# Altium PCB GPS_DEMO_PCB.PcbDoc
Units mm, origin at the board's own origin, x right, y up, seen from the top; angles counter-clockwise.
Board outline 78.13 x 63.13 mm, 2 copper layers (Top Layer, Bottom Layer); 65 components, 42 nets, 210 pads, 20 vias.
Unrouted connection lines stored in the file: 5.
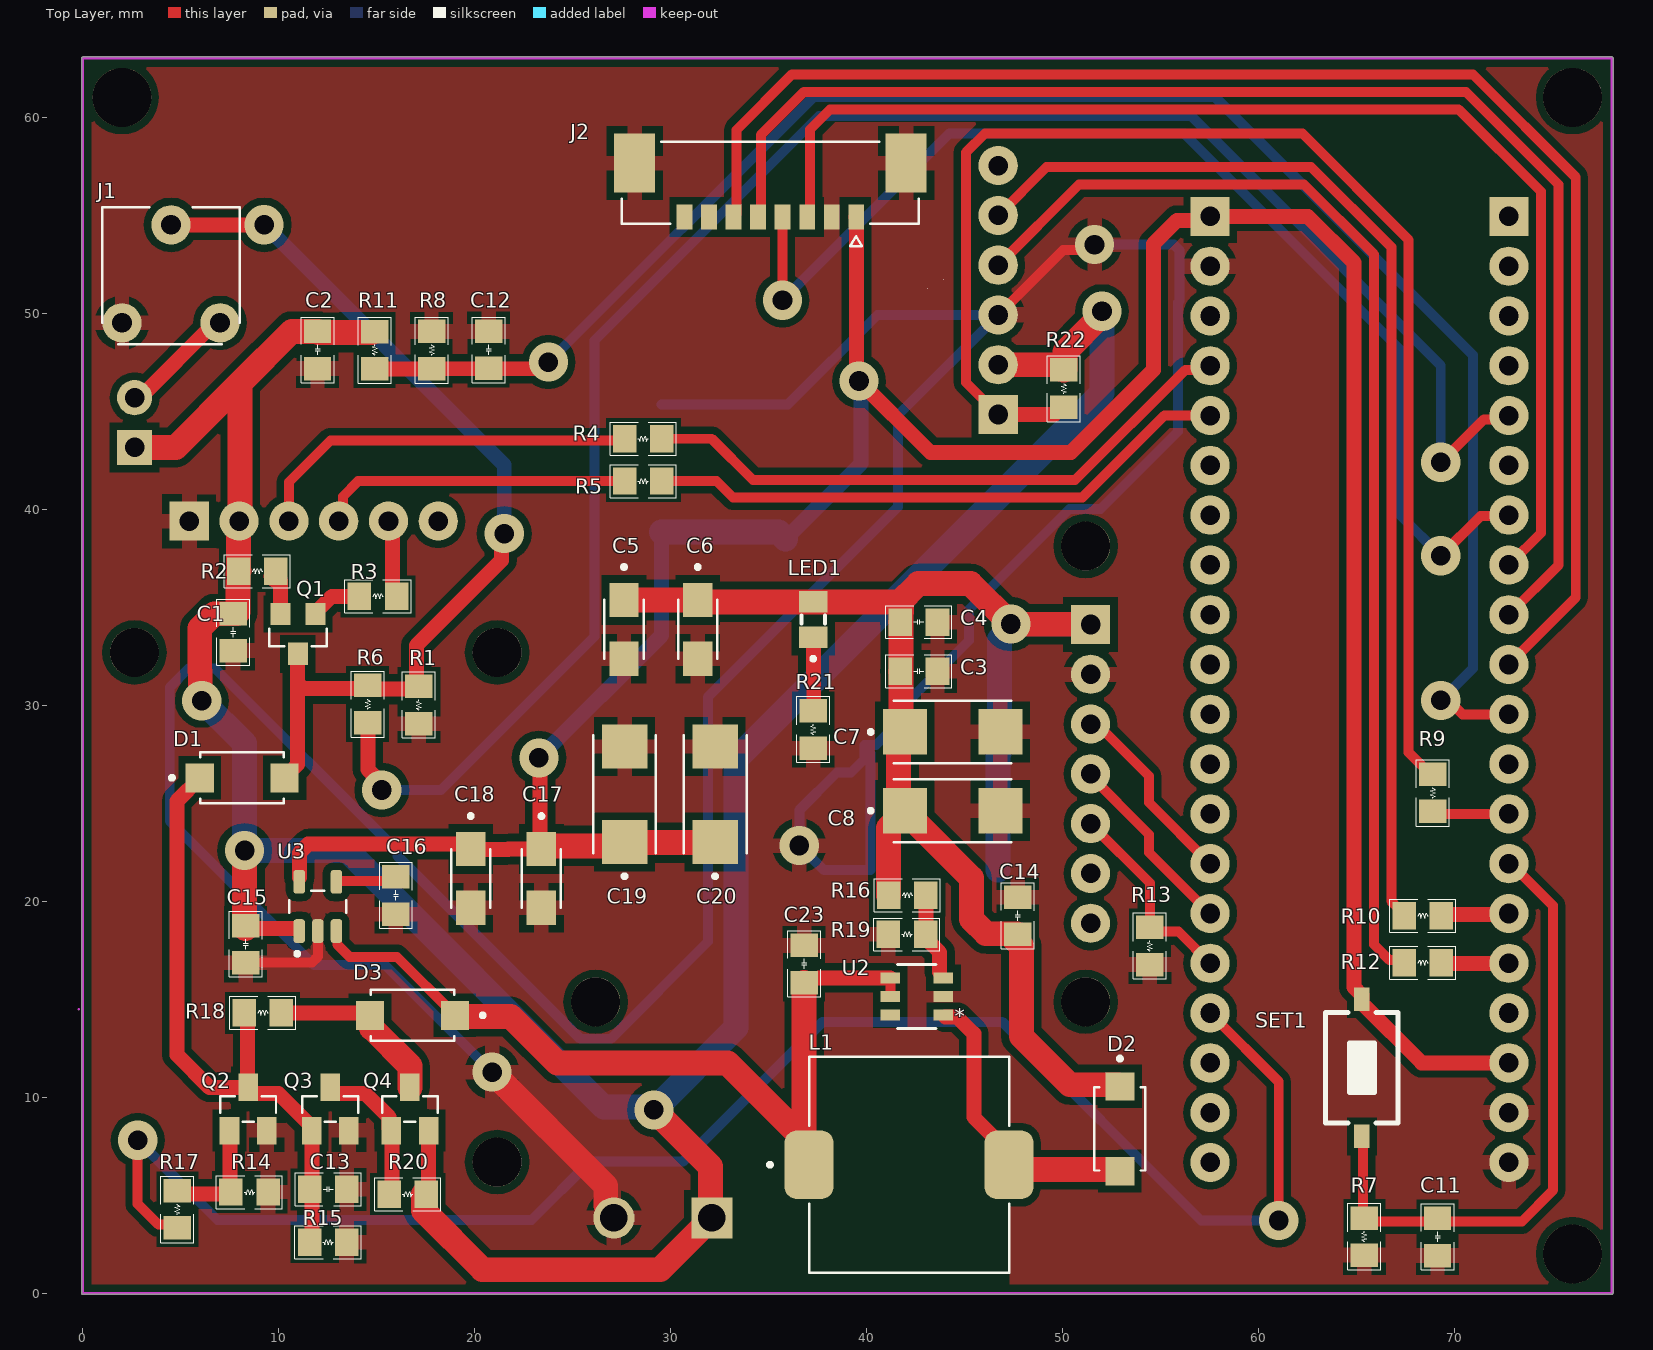
[diagram p0: Top Layer view]
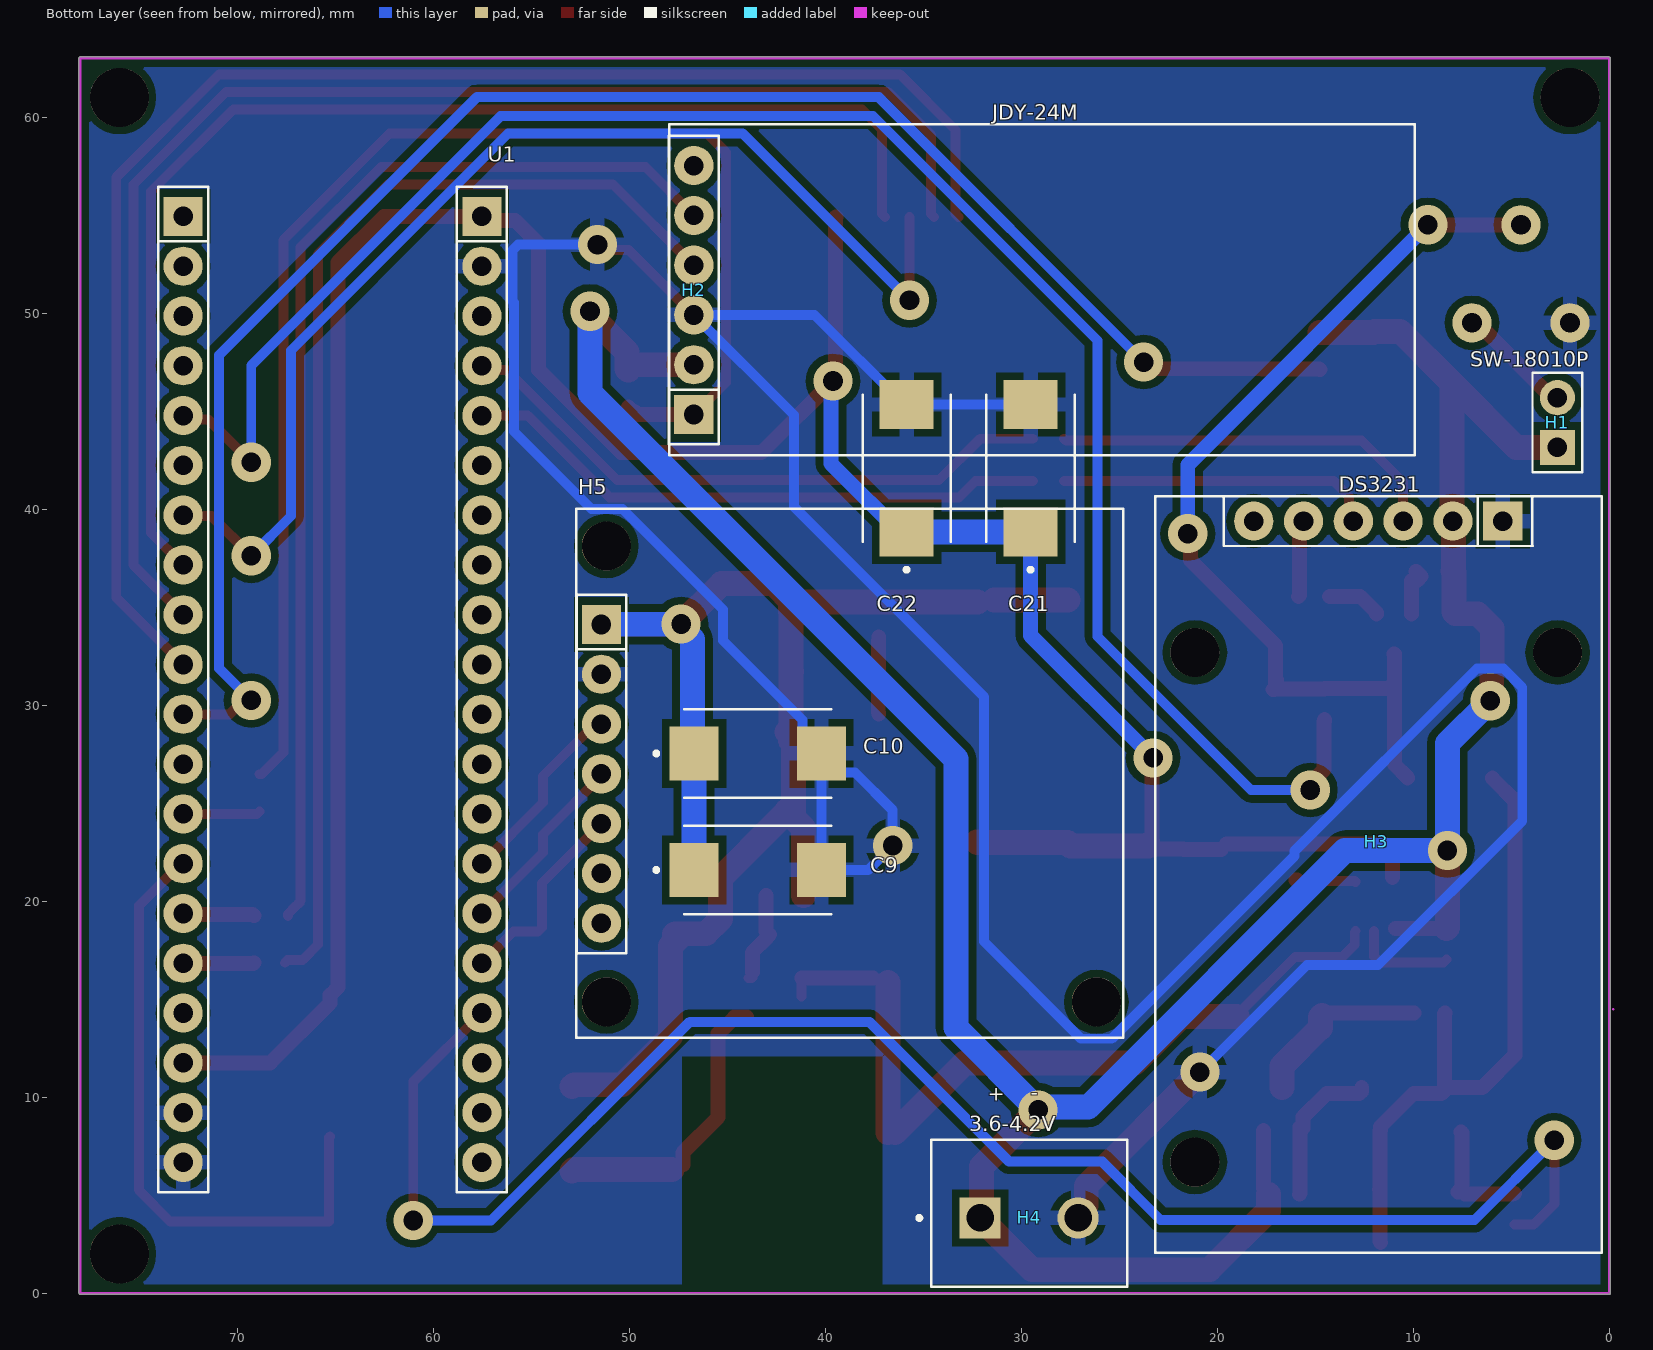
[diagram p1: Bottom Layer view, seen from below]

## Layer stack, top to bottom
Top Solder: solder mask 0.0102, Solder Resist, Dk 3.5
Top Layer: signal copper 0.0356
Dielectric 1: dielectric 0.32, FR-4, Dk 4.8
Bottom Layer: signal copper 0.0356
Bottom Solder: solder mask 0.0102, Solder Resist, Dk 3.5

## Board outline
-0.064,0 ccw(c0,0) 0,-0.064 78,-0.064 ccw(c78,0) 78.064,0 78.064,63 ccw(c78,63) 78,63.064 0,63.064 ccw(c0,63) -0.064,63

## Design rules (kind name [scope] priority, off if disabled: settings)
BoardOutlineClearance [All] p1: gap=0.2 ignorepadtopadclearanceinfootprint=FALSE
Clearance [All] p1: gap=0.381 ignorepadtopadclearanceinfootprint=FALSE except(0.25: Arc-Hole Track-Hole SMDPad-Hole THPad-Hole Via-Hole Fill-Hole Poly-Hole Region-Hole Text-Hole)
ComponentClearance [All] p1: gap=0.127 collisioncheckmode=3 verticalgap=0.127 showdistances=TRUE
DiffPairsRouting [All] p1: maxlimit=0.254 minlimit=0.127 mostfreqgap=0.127 toplayer_minwidth=0.127 toplayer_maxwidth=25.4 toplayer_prefwidth=0.127 bottomlayer_minwidth=0.127 bottomlayer_maxwidth=25.4 bottomlayer_prefwidth=0.127 maxuncoupledlength=12.7
Height [All] p1: minheight=0 maxheight=1816.048 prefheight=12.7
HoleSize [All] p1: absolutevalues=TRUE maxlimit=6.3 minlimit=0.3 maxpercent=80.000 minpercent=20.000
HoleToHoleClearance [All] p1: gap=0.25 allowstackedmicrovias=FALSE
MinimumAnnularRing [All] p1: minimumring=0.076
MinimumSolderMaskSliver [All] p1: minsoldermaskwidth=0
PlaneClearance [All] p1: clearance=0.127
PlaneConnect PlaneConnectPowerPads [InPadClass('PowerPads')] p1: planeconnectstyle=Relief reliefexpansion=0.508 reliefentries=4 reliefconductorwidth=0.254 reliefairgap=0.254
PlaneConnect [All] p2: planeconnectstyle=Relief reliefexpansion=0.3 reliefentries=4 reliefconductorwidth=0.381 reliefairgap=0.127
PolygonConnect PolygonConnectPowerPads [All vs (InPadClass('PowerPads'))] p1: thpad.connectstyle=Direct thpad.reliefconductorwidth=0.254 thpad.reliefentries=4 thpad.polygonreliefangle="90 Angle" thpad.airgapwidth=0.254 smdpad.connectstyle=Direct smdpad.reliefconductorwidth=0.254 smdpad.reliefentries=4 smdpad.polygonreliefangle="90 Angle" smdpad.airgapwidth=0.254 via.connectstyle=Relief via.reliefconductorwidth=0.254 via.reliefentries=4 via.polygonreliefangle="90 Angle" via.airgapwidth=0.254
PolygonConnect [All] p2: thpad.connectstyle=Relief thpad.reliefconductorwidth=0.762 thpad.reliefentries=4 thpad.polygonreliefangle="90 Angle" thpad.airgapwidth=0.381 smdpad.connectstyle=Relief smdpad.reliefconductorwidth=0.762 smdpad.reliefentries=4 smdpad.polygonreliefangle="90 Angle" smdpad.airgapwidth=0.381 via.connectstyle=Direct via.reliefconductorwidth=0.762 via.reliefentries=4 via.polygonreliefangle="90 Angle" via.airgapwidth=0.381
RoutingVias [All] p1: holewidth=1 width=2 viastyle="Through Hole" minholewidth=1 minwidth=2 maxholewidth=1 maxwidth=2
SilkToSilkClearance [All] p1: silktosilkclearance=0
SilkToSolderMaskClearance [IsPad] p1: minsilkscreentomaskgap=0.025 clearancetoexposedcopper=TRUE
SolderMaskExpansion SolderMaskExpansion_Via [IsVia] p1: expansion=0.102 istentingtop=TRUE
SolderMaskExpansion [All] p2: expansion=0.075 istentingtop=FALSE
Width [All] p1: maxlimit=1.27 minlimit=0.508 preferedwidth=0.762
20 further rules are at their usual default settings.

## Components (designator, comment, footprint, x,y, rotation, side; value= is the part's Value field where it differs from the comment)
C1 "100nF" 0805_Cap 7.683,33.721 r270 top
C2 "100nF" 0805_Cap 11.976,48.121 r270 top
C3 "100nF" 0805_Cap 42.647,31.725 r0 top
C4 "10uF" 0805_Cap 42.647,34.239 r0 top
C5 "OPT" 1206_Tantalum 27.61,33.863 r270 top
C6 "OPT" 1206_Tantalum 31.369,33.863 r270 top
C7 "OPT" 2312_Tantalum 44.374,28.632 r0 top
C8 "OPT" 2312_Tantalum 44.374,24.613 r0 top
C9 "100uF" "2917 _Tantalum" 43.434,21.59 r180 bottom
C10 "100uF" "2917 _Tantalum" 43.434,27.534 r180 bottom
C11 "10uF" 0805_Cap 69.113,2.873 r270 top
C12 "100nF" 0805_Cap 20.701,48.121 r90 top
C13 "10uF" 0805_Cap 12.521,5.295 r0 top
C14 "22uF" 0805_Cap 47.701,19.253 r270 top
C15 "10uF" 0805_Cap 8.306,17.805 r270 top
C16 "22uF" 0805_Cap 15.977,20.295 r270 top
C17 "OPT" 1206_Tantalum 23.393,21.158 r270 top
C18 "OPT" 1206_Tantalum 19.787,21.158 r270 top
C19 "OPT" 2312_Tantalum 27.637,25.451 r90 top
C20 "OPT" 2312_Tantalum 32.258,25.451 r90 top
C21 "100uF" "2917 _Tantalum" 29.516,42.085 r90 bottom
C22 "100uF" "2917 _Tantalum" 35.841,42.085 r90 bottom
C23 "22uF" 0805_Cap 36.801,16.799 r270 top
D1 "SS34" SODFL5226X100N 8.128,26.289 r0 top
D2 "SS34" SODFL5226X100N 52.908,8.382 r270 top
D3 "SS34" SODFL5226X100N 16.815,14.173 r180 top
H1 "SW-18010P" "JP 1x2" 2.642,43.145 r90 bottom
H2 "JDY-24M" "Module JDY-24M" 46.697,44.822 r90 bottom
H3 "DS3231" "Module DS3231" 5.433,39.386 r0 bottom
H4 "3.6-4.2V" KF301-2P 29.591,3.835 r180 bottom
H5 "A7680C" "Module A7680C" 51.41,34.112 r270 bottom
J1 "10K" RM065 4.5,52 r0 top
J2 "533980871" MOLEX_533980871 35.074,56.65 r0 top
L1 "22uH" "INDUCTOR CDRH104" 42.051,6.549 r0 top
LED1 "LED" 0805_LED 37.262,34.366 r90 top
Q1 "S8550" SOT-23 10.973,33.63 r180 top
Q2 "S8050" SOT23 8.433,9.396 r0 top
Q3 "S8050" SOT23 12.624,9.396 r0 top
Q4 "AO3401" SOT23 16.688,9.396 r0 top
R1 "10K" 0805_Res 17.145,29.997 r90 top
R2 "1K" 0805_Res 8.89,36.83 r0 top
R3 "100K" 0805_Res 15.051,35.549 r0 top
R4 "150" 0805_Res 28.6,43.586 r180 top
R5 "150" 0805_Res 28.6,41.427 r180 top
R6 "1K" 0805_Res 14.529,30.055 r270 top
R7 "10K" 0805_Res 65.38,2.873 r90 top
R8 "33K" 0805_Res 17.793,48.121 r270 top
R9 "10K" 0805_Res 68.859,25.527 r270 top
R10 "1K" 0805_Res 68.349,19.253 r0 top
R11 "8.2K" 0805_Res 14.885,48.096 r90 top
R12 "OPT" 0805_Res 68.349,16.855 r0 top
R13 "10K" 0805_Res 54.432,17.704 r90 top
R14 "100K" 0805_Res 8.509,5.156 r180 top
R15 "100K" 0805_Res 12.521,2.591 r180 top
R16 "2.2K" 0805_Res 42.051,20.299 r0 top
R17 "150" 0805_Res 4.826,4.283 r270 top
R18 "100K" 0805_Res 9.169,14.3 r0 top
R19 "300" 0805_Res 42.051,18.299 r180 top
R20 "10K" 0805_Res 16.585,5.045 r180 top
R21 "10K" 0805_Res 37.262,28.753 r90 top
R22 "OPT" 0805_Res 50.038,46.152 r270 top
SET1 "Button 2p" "Button 2p 3x6x2.5" 65.25,11.5 r90 top
U1 "STM32F1C8T6" "Module STM32F1C8T6 BLUEPILL" 57.51,54.93 r0 bottom
U2 "MT3608" TSOT23-6SOT23-6_AER 42.545,15.132 r180 top
U3 "SPX3819" SOT95P280X145-5N 11.989,19.726 r90 top

## Footprints (in the part's own frame and the unit in brackets; to place one, negate y for a bottom-side part, rotate by r counter-clockwise, add the part's x,y. Pads: shape width x height; smd on the part's side, far side on the other; paste and mask are expansions set on the pad)
0805_Cap [mm] "0805 SMD Ceramic Capacitor"
  rect 1.2x1.4 smd: 1(-0.946,-0.003) 2(0.954,-0.003)
  silkscreen extent -1.68,-0.84 1.68,0.84, body extent -1.01,-0.64 1.01,0.63, height 0.61
0805_LED [mm]
  rect 1.1x1.45 smd: A(0.9,0) C(-0.9,0)
  silkscreen extent -2.1,-0.6 0.2,0.6, body extent -1,-0.65 1,0.65, height 0.9
0805_Res [mm]
  rect 1.2x1.4 smd: 1(-0.946,-0.003) 2(0.954,-0.003)
  silkscreen extent -1.68,-0.84 1.7,0.84, body extent -1.01,-0.64 1.01,0.63, height 0.61
1206_Tantalum [mm]
  rect 1.75x1.5 smd: 1(-1.5,0) 2(1.5,0)
  silkscreen extent -3.28,-1 1.5,1, body extent -1.6,-0.8 1.6,0.8, height 1.8
2312_Tantalum [mm]
  rect 2.24x2.32 smd: 1(-2.435,0) 2(2.435,0)
  silkscreen extent -4.28,-1.6 3,1.6, body extent -3,-1.6 3,1.6, height 2.8
"2917 _Tantalum" [mm]
  rect 2.5x2.75 smd: 1(-3.25,0) 2(3.25,0)
  silkscreen extent -5.28,-2.25 3.75,2.25, body extent -3.65,-2.15 3.65,2.15, height 3.1
"Button 2p 3x6x2.5" [mm] "Switch SMD type"
  rect 1.2x0.8 smd: 1(-3.5,0) 2(3.5,0)
  silkscreen extent -2.82,-1.85 2.82,1.85, body extent -3.05,-1.85 3.05,1.85, height 2.5
"INDUCTOR CDRH104" [mm] "CDRH104 Cu?n C?m Dan SMD 1038-220 22uH 3.6A"
  rrect50% 2.5x3.5 smd: 1(-5,0) 2(5.2,0)
  silkscreen extent -7.1,-5.5 5.21,5.5
"JP 1x2" [mm]
  rect 1.8x1.8 hole 1: 1(0,0)
  round 1.8 hole 1: 2(2.54,0)
  silkscreen extent -1.27,-1.27 3.81,1.27, body extent -1.27,-1.27 3.81,1.27, height 8.54
KF301-2P [mm]
  rect 2.1x2.1 hole 1.4: 1(-2.5,0)
  round 2.1 hole 1.4: 2(2.5,0)
  silkscreen extent -5.7,-3.5 5,4
"Module A7680C" [mm] "Footprint for A7680C"
  rect 2x2 hole 1: 1(0,0)
  round 2 hole 1: 2(2.54,0) 3(5.08,0) 4(7.62,0) 5(10.16,0) 6(12.7,0) 7(15.24,0)
  round 2.5 hole 2.5: 21(-4,0.25) 21(19.25,0.25) 21(19.25,25.25)
  silkscreen extent -5.9,-1.28 21.07,26.62, body extent -5.87,-1.27 21.13,26.73, height 12.01
"Module DS3231" [mm]
  rect 2x2 hole 1: 1(0,0)
  round 2 hole 1: 2(2.54,0) 3(5.08,0) 4(7.62,0) 5(10.16,0) 6(12.7,0)
  round 2.5 hole 2.5: 23(-2.8,6.7) 23(15.7,6.7) 23(15.7,32.7)
  silkscreen extent -5.05,-1.27 17.73,37.31, body extent -5.05,-1.3 17.75,37.3, height 17.41
"Module JDY-24M" [mm]
  rect 2x2 hole 1: 1(0,0)
  round 2 hole 1: 2(2.54,0) 3(5.08,0) 4(7.62,0) 5(10.16,0) 6(12.7,0)
  silkscreen extent -2.08,-36.78 14.81,1.27, body extent -2.08,-36.76 14.8,1.25, height 12.6
"Module STM32F1C8T6 BLUEPILL" [mm] "stm32f1 Bluepill"
  rect 2x2 hole 1: 1(0,0) 21(15.24,0)
  round 2 hole 1: 2(0,2.54) 3(0,5.08) 4(0,7.62) 5(0,10.16) 6(0,12.7) 7(0,15.24) 8(0,17.78) 9(0,20.32) 10(0,22.86) 11(0,25.4) 12(0,27.94) 13(0,30.48) 14(0,33.02) 15(0,35.56) 16(0,38.1) 17(0,40.64) 18(0,43.18) 19(0,45.72) 20(0,48.26) 22(15.24,2.54) 23(15.24,5.08) 24(15.24,7.62) 25(15.24,10.16) 26(15.24,12.7) 27(15.24,15.24) 28(15.24,17.78) 29(15.24,20.32) 30(15.24,22.86) 31(15.24,25.4) 32(15.24,27.94) 33(15.24,30.48) 34(15.24,33.02) 35(15.24,35.56) 36(15.24,38.1) 37(15.24,40.64) 38(15.24,43.18) 39(15.24,45.72) 40(15.24,48.26)
  silkscreen extent -1.27,-1.52 16.51,49.78, body extent -3.86,-5.87 19,51.69, height 20.77
MOLEX_533980871 [mm]
  rect 0.8x1.3 smd mask+0.076: 1(4.375,-1.75) 2(3.125,-1.75) 3(1.875,-1.75) 4(0.625,-1.75) 5(-0.625,-1.75) 6(-1.875,-1.75) 7(-3.125,-1.75) 8(-4.375,-1.75)
  rect 2.1x3 smd mask+0.076: S1(-6.925,1) S2(6.925,1)
  silkscreen extent -7.57,-3.23 7.57,2.1
RM065 [mm]
  round 2 hole 1: 1(-2.5,-2.5) 2(0,2.5) 3(2.5,-2.5)
  silkscreen extent -3.5,-3.6 3.5,3.4
SODFL5226X100N [mm]
  rect 1.44x1.48 smd: 1(-2.165,0) 2(2.165,0)
  silkscreen extent -3.68,-1.3 2.12,1.3, body extent -2.6,-1.3 2.6,1.3, height 1
SOT23 [mm]
  rect 1x1.4 smd: 1(-0.95,-1.1) 2(0.95,-1.1) 3(0,1.1)
  silkscreen extent -1.42,-0.66 1.42,0.66, body extent -1.45,-1.4 1.45,1.4, height 1.25
SOT95P280X145-5N [mm]
  rrect50% 1.21x0.59 smd: 1(-1.255,0.95) 2(-1.255,0) 3(-1.255,-0.95) 4(1.255,-0.95) 5(1.255,0.95)
  silkscreen extent -2.51,-1.45 0.8,1.45
SOT-23 [mil]
  rect 40x45 smd: 1(-35,-40) 2(35,-40) 3(0,40)
  silkscreen extent -58,-10 58,25, body extent -57,-51 57,51, height 55
TSOT23-6SOT23-6_AER [mil]
  rect 39.5x22 smd paste+0 mask+0: 1(-53.25,37.4) 2(-53.25,0) 3(-53.25,-37.4) 4(53.25,-37.4) 5(53.25,0) 6(53.25,37.4)
  silkscreen extent -39,-64 39,64, body extent -59,-59 59,59, height 57

## Part data
C1 C2 C3 C4 C11 C12 C13 C14 C15 C16 C23: library part "Ceramic Capacitor", Chung_Loai=Dán, Don_Vi=Con, Ma_Hang=MH004551, So_Chan=2, Ten_Linh_Kien="Tụ 0805 104-100nF 10% 50V"
C5 C6 C7 C8 C9 C10 C17 C18 C19 C20 C21 C22: library part Tantalum, "Molded Tantalum Capacitors"
D1 D2 D3: library part SS34ALH, "3A, 40V, Schottky Rectifier", Package="DO-221AC Taiwan Semiconductor", Availability="Not in stock", Check_prices=https://www.snapeda.com/parts/SS34ALH/Taiwan+Semiconductor/view-part/?ref=eda, MF="Taiwan Semiconductor", MP=SS34ALH, Price=None, SnapEDA_Link=https://www.snapeda.com/parts/SS34ALH/Taiwan+Semiconductor/view-part/?ref=snap
H1 H4: library part "Header 2P", "THT", Chung_Loai=Cắm, Don_Vi=Con, Ma_Hang=MH002852, Ten_Linh_Kien="Header 2P XH2.54-2P Đực Cong"
H2: library part "Module JDY-24M", "Module BLE JDY-24M Bluetooth module 6p"
H3: library part "Module DS3231", "Module RTC (Real Time Clock) DS3231 6p"
H5: library part "Module A7680C", "SIM Module A7680C; A7672S 4G"
J1: library part RM065, "Circuit Breaker Thermal 6.5A 240V AC 60V DC Rocker Panel Mount, Snap-In", Package=None, Availability="Not in stock", Check_prices=https://www.snapeda.com/parts/RM-065/Vishay/view-part/?ref=eda, MF=Vishay, MP=RM-065, Price=None, SnapEDA_Link=https://www.snapeda.com/parts/RM-065/Vishay/view-part/?ref=snap
J2: "MX 1.25mm 8 pin;Conn; Rect; Header; 1.25 mm Pitch; PCB; 8 Cir; Ver; SMT; PicoBlade; LF", Package=None, Availability=Unavailable, MP=533980871, Price=None
L1: library part Inductor, "Inductors from EPCOS include SMT Inductors, SMT Power Inductors, Transponder Coils, ISDN Transformers, xDSL Transformers, DC/DC Converters, RF Transformers and SMT Current Sense Transformers.", Package="NON STANDARD-2 EPCOS", Availability="In Stock", Check_prices=https://www.snapeda.com/parts/B82477G4472M000/EPCOS/view-part/?ref=eda, MF=EPCOS, MP=B82477G4472M000, Price=None, Purchase-URL=https://pricing.snapeda.com/search/part/B82477G4472M000/?ref=eda, SnapEDA_Link=https://www.snapeda.com/parts/B82477G4472M000/EPCOS/view-part/?ref=snap
LED1: "LED single color 2 leads"
Q1: "Bipolar (BJT) Transistor PNP SOT-23", Package=None, Availability="In Stock", Check_prices=https://banlinhkien.com/s8050-sot23-trans-npn-0.5a-40v-j3y-10c-p15943539.html, MF=UMW, MP=S8050, Price=None, Purchase-URL=https://banlinhkien.com/s8050-sot23-trans-npn-0.5a-40v-j3y-10c-p15943539.html, SnapEDA_Link=https://www.snapeda.com/parts/S8050/Umwelt+Sensor+Teknik/view-part/?ref=snap
Q2 Q3: "Bipolar (BJT) Transistor NPN SOT-23", Package=None, Availability="In Stock", Check_prices=https://banlinhkien.com/s8050-sot23-trans-npn-0.5a-40v-j3y-10c-p15943539.html, Link=https://banlinhkien.com/s8050-sot23-trans-npn-0.5a-40v-j3y-10c-p15943539.html, MF=UMW, MP=S8050, Price=None, Purchase-URL=https://banlinhkien.com/s8050-sot23-trans-npn-0.5a-40v-j3y-10c-p15943539.html
Q4: "Mosfet P-Channel 30 V 4A (Ta) 1.4W (Ta) Surface Mount SOT-23-3", Package="TO-236-3 Alpha &amp; Omega Semiconductor Inc.", Check_prices=https://www.snapeda.com/parts/AO3401/Alpha+%2526+Omega+Semiconductor+Inc./view-part/?ref=eda, MF="Alpha &", MP=AO3401, SnapEDA_Link=https://www.snapeda.com/parts/AO3401/Alpha+%2526+Omega+Semiconductor+Inc./view-part/?ref=snap
R1 R2 R3 R4 R5 R6 R7 R8 R9 R10 R11 R12 R13 R14 R15 R16 R17 R18 R19 R20 R21 R22: library part Resistor, Chung_Loai=Dán, Don_Vi=Con, Ma_Hang=MH005468, So_Chan=2, Ten_Linh_Kien="Trở 0805 1% 1k"
SET1: "Nut Nhan 2 Chan SMD 3x6x2.5", Ma_Hang=MH001036, Ten="Nút Nhấn 2 Chân 3x6x2.5MM SMD"
U1: library part "Module STM32F1C8T6 BLUEPILL", "Module stm32f1 Bluepill"
U2: "No Description Available", Mfr_Name=Aerosemi, RefDes=RefDes, Type=Type
U3: library part LP2985-33DBVR, "150-mA, 16-V, low-dropout voltage regulator with enable 5-SOT-23 -40 to 125", Package=None, Availability=Unavailable, MP=LP2985-33DBVR, Price=None

## Free pads (board coordinates)
  round 3 hole 3: 19(76,61) 20(2,61) 21(76,2)

## Via types
v1: diameter 2, hole 1, Top Layer to Bottom Layer, tented both sides, 20 vias

## Nets (pads, with @x,y where several pads share a name; then routed paths per layer and width w, separated by ;. In a path a pad name is that pad's centre, name@x,y a point inside that pad or via, vN(x,y) a via of type N, cw(c..) or ccw(c..) an arc to the next point about the centre after c; other vN are vias at no path point)
3V3: C17.1 C18.1 C19.1 C20.1 C21.1 C22.1 J2.1 SET1.2 U1.1 U1.38 U3.5 | length 148.7
  Top Layer w0.762: U3.5@11.049,21.205 11.049,22.464 11.495,22.911 C18.1@19.534,22.911 ; C18.1@19.787,22.633 21.68,22.633 21.705,22.658 C17.1 ; v1(23.266,27.305) 23.33,27.241 23.33,23.05 C17.1@23.495,22.884 ; J2.1 39.468,54.881 39.468,46.664 43.238,42.893 50.411,42.893 54.61,47.092 54.61,53.523 55.813,54.726 57.306,54.726 U1.1 62.492,54.93 64.846,52.576 64.846,15.604 65.25,15.2 SET1.2 ; SET1.2@65.25,14.8 68.3,11.75 U1.38
  Top Layer w1.27: C17.1@23.495,22.884 23.495,22.834 23.508,22.821 27.474,22.821 27.637,22.984 32.226,22.984 C20.1
  Bottom Layer w0.762: v1(23.266,27.305) 29.516,33.555 C21.1 ; C22.1@35.852,38.469 39.7,42.317 39.7,46.431 v1(39.599,46.533)
  Bottom Layer w1.27: C21.1 35.485,38.835 C22.1@35.852,38.469
5V: C3.1 C4.1 C5.1 C6.1 C7.1 C8.1 C9.1 C10.1 C14.2 D2.1 H5.1 LED1.A R16.1 | length 77.5
  Top Layer w1.27: C5.1 C6.1 ; 32.228,35.266 LED1.A 41.761,35.266 41.786,35.291 ; R16.1 41.097,20.304 41.097,23.18 41.097,23.731 C8.1@41.939,24.573 ; 41.637,35.211 42.621,36.195 45.288,36.195 v1(47.346,34.138) ; C3.1 41.732,31.69 41.732,28.839 C7.1 41.761,28.454 41.761,28.194 41.616,28.049 41.616,24.613 C8.1 C8.1@41.939,24.573 ; C3.1@41.736,31.792 41.736,34.201 C4.1 41.736,34.271 41.736,34.722 41.761,34.747 41.761,35.049 ; v1@47.358,34.125 51.397,34.125 H5.1 ; C14.2@47.442,18.143 47.879,17.705 47.879,13.106 50.353,10.632 52.823,10.632 D2.1 ; C14.2 47.663,18.334 46.083,18.334 45.339,19.078 45.339,21.172 42.424,24.088 C8.1@41.939,24.573
  Bottom Layer w1.27: C9.1 C10.1 46.766,27.615 46.766,33.36 47.346,33.94 v1(47.346,34.138) 47.358,34.125 51.045,34.125 51.056,34.136 H5.1@51.056,34.206
32K: H3.6
GND: C1.2 C2.2 C3.2 C4.2 C5.2 C6.2 C7.2 C8.2 C9.2 C10.2 C11.2 C12.2 C13.2 C14.1 C15.2 C16.2 C17.2 C18.2 C19.2 C20.2 C21.2 C22.2 C23.1 H2.3 H3.1 H4.2 H5.2 J1.1 J2.2 J2.S1 J2.S2 Q2.2 Q3.2 R1.1 R7.1 R8.1 R13.1 R14.1 R15.1 R19.2 R21.1 U1.2 U1.39 U1.40 U2.2 U3.2 | length 199.9
  Top Layer w0.508: C15.2@8.306,17.015 8.456,16.866 11.691,16.866 11.989,17.163 U3.2 ; H2.3 50.001,53.207 51.327,53.207 v1(51.613,53.492)
  Top Layer w1.27: v1(20.879,11.278) 26.676,5.48 26.676,4.475 27.091,4.06 H4.2
  Bottom Layer w0.508: v1(20.879,11.278) 15.423,16.733 11.79,16.733 4.436,24.088 4.436,30.903 5.393,31.861 6.748,31.861 16.063,22.546 16.063,22.293 25.379,12.977 26.94,12.977 31.898,17.935 31.898,30.425 41.589,40.116 41.589,44.795 H2.3 40.533,49.902 35.966,45.335 C22.2 C21.2 ; C10.2 C9.2 37.798,21.59 36.553,22.835 v1(36.551,22.835) 36.551,24.638 38.472,26.559 39.188,26.559 39.878,27.249 39.878,27.965 40.469,27.965 41.158,28.655 41.158,29.246 45.212,33.3 45.212,34.881 50.328,39.997 51.91,39.997 55.875,43.962 55.875,50.527 55.956,50.608 55.956,53.195 55.659,53.492 v1(51.613,53.492)
NetC11_1: C11.1 R7.2 SET1.1 U1.34 | length 32.3
  Top Layer w0.508: SET1.1 65.315,7.935 65.315,3.664 R7.2@65.316,3.663 ; R7.2@65.38,3.663 69.113,3.663 73.413,3.663 75,5.25 75,19.767 U1.34@72.796,21.971
NetC12_1: C12.1 R8.2 R11.1 U1.31 | length 89.4
  Top Layer w0.508: v1(69.275,30.237) 69.679,30.237 70.386,29.53 U1.31
  Top Layer w0.762: R11.1@14.761,47.111 14.789,47.139 17.676,47.139 17.695,47.158 20.704,47.158 23.073,47.158 23.415,47.5 v1(23.75,47.5)
  Bottom Layer w0.508: v1(23.75,47.5) 37.261,61.011 57.766,61.011 70.91,47.867 70.91,31.872 v1(69.275,30.237)
NetC13_1: C13.1 D1.1 Q2.3 Q3.1 R15.2 R18.1 | length 32.9
  Top Layer w0.762: D1.1 5.963,26.269 4.801,25.107 4.801,12.16 6.465,10.496 Q2.3 ; R18.1@8.379,14.3 8.406,14.273 8.406,10.523 Q2.3 ; R15.2@11.656,2.591 11.694,2.628 11.694,5.258 11.731,5.295 11.702,5.324 11.702,8.267 Q3.1 11.674,8.496 9.993,10.177 8.552,10.177 8.433,10.296 Q2.3
NetC16_1: C16.1 U3.4 | length 3.1
  Top Layer w0.508: U3.4 12.939,20.992 12.98,21.033 15.885,21.033 C16.1@15.937,21.085
  Top Layer w0.762: C16.1@15.937,21.085 C16.1@15.977,21.085
NetC23_2: C23.2 D3.1 L1.1 U2.4 U2.5 U3.3 | length 40.4
  Top Layer w0.508: U3.3 12.98,18.43 12.98,17.78 13.614,17.145 16.028,17.145 18.973,14.2 D3.1@18.973,14.113 ; U2.5 U2.4
  Top Layer w0.762: 37.551,16.082 U2.4
  Top Layer w1.27: D3.1@18.973,14.113 21.828,14.113 24.206,11.735 32.893,11.735 L1.1@36.436,8.192 ; L1.1@36.797,8.192 C23.2
NetD1_2: D1.2 J1.2 Q1.3 R1.2 R6.1 | length 48.4
  Top Layer w0.762: J1.2 v1(9.25,54.5) ; D1.2 10.293,26.309 10.96,26.976 10.96,31.066 10.96,32.6 Q1.3 ; 11.022,31.066 11.243,30.845 14.529,30.845 14.557,30.816 17.116,30.816 17.145,30.787 17.105,30.787 17.016,30.876 17.016,31.234 16.969,31.281 17.018,31.329 17.018,33.045 21.358,37.385 21.358,38.608 v1(21.5,38.75)
  Bottom Layer w0.762: v1(9.25,54.5) 21.5,42.25 v1(21.5,38.75)
NetD2_2: D2.2 L1.2 U2.1 | length 14.4
  Top Layer w0.762: U2.1@43.999,14.08 44.613,14.08 45.455,13.239 45.455,8.977 47.251,7.181 L1.2
  Top Layer w1.27: L1.2@47.815,6.302 52.823,6.302 D2.2
NetD3_2: D3.2 Q4.3 R18.2 | length 9.3
  Top Layer w0.762: R18.2@9.959,14.3 14.523,14.3 D3.2
  Top Layer w1.27: D3.2 14.735,14.088 14.735,13.535 16.688,11.582 Q4.3
NetH1_2: H1.2 J1.3 | length 5.9
  Top Layer w0.762: H1.2 2.913,45.685 6.728,49.5 J1.3
NetH2_1: H2.1 R9.1 R22.2 | length 70.6
  Top Layer w0.508: H2.1 45.062,46.457 45.062,58.2 46.019,59.157 62.216,59.157 67.64,53.734 67.64,27.588 68.756,26.473 R9.1
  Top Layer w0.762: H2.1 49.56,44.822 49.716,44.978 49.816,44.978 R22.2
NetH2_4: H2.4 R12.1 | length 59.6
  Top Layer w0.508: H2.4 50.819,56.565 62.294,56.565 65.862,52.997 65.862,17.78 66.652,16.99 67.424,16.99 R12.1@67.559,16.855
NetH2_5: H2.5 R10.1 | length 57.2
  Top Layer w0.508: H2.5 49.168,57.454 62.662,57.454 66.751,53.365 66.751,19.993 67.049,19.696 67.057,19.696 67.403,19.35 R10.1
NetH3_3: H3.3 R4.2 | length 20.2
  Top Layer w0.508: H3.3 10.513,41.382 12.631,43.5 27.724,43.5 R4.2@27.81,43.586
NetH3_4: H3.4 R5.2 | length 16.2
  Top Layer w0.508: H3.4@13.117,39.352 13.267,39.502 13.267,40.648 14.046,41.427 R5.2@27.81,41.427
NetH3_5: H3.5 R3.2 | length 3.8
  Top Layer w0.762: H3.5@15.593,39.288 15.79,39.091 15.79,35.6 R3.2@15.841,35.549
NetH5_3: H5.3 U1.14 | length 10.2
  Top Layer w0.508: H5.3@51.054,29.122 51.46,29.122 51.899,28.683 52.089,28.683 54.396,26.376 54.396,25.024 U1.14
NetH5_4: H5.4 U1.15 | length 10
  Top Layer w0.508: H5.4@51.054,26.582 51.219,26.582 54.396,23.404 54.396,22.484 U1.15
NetH5_5: H5.5 R13.2 U1.16 | length 10.5
  Top Layer w0.508: H5.5@51.447,24.042 51.447,23.915 54.436,20.926 R13.2 54.651,18.442 55.898,18.442 U1.16
NetH5_6: H5.6
NetH5_7: H5.7
NetJ2_3: J2.3 U1.28 | length 63.6
  Top Layer w0.508: J2.3 37.095,55.046 37.095,59.361 38.123,60.389 70.189,60.389 74.385,56.193 74.385,38.785 72.811,37.211 U1.28@72.796,37.211
NetJ2_4: J2.4 U1.27 | length 59.6
  Top Layer w0.508: v1(35.697,50.652) 35.698,50.654 J2.4 J2.4 ; v1(69.275,37.617) 71.311,39.653 72.713,39.653 U1.27
  Bottom Layer w0.508: v1(35.697,50.652) 44.202,59.157 56.181,59.157 67.25,48.088 67.25,39.643 v1(69.275,37.617)
NetJ2_5: J2.5 U1.29 | length 70.7
  Top Layer w0.508: J2.5 34.595,55.046 34.595,59.095 36.778,61.278 70.557,61.278 75.274,56.561 75.274,37.134 72.811,34.671 U1.29@72.796,34.671
NetJ2_6: J2.6 U1.30 | length 76.9
  Top Layer w0.508: J2.6 33.345,55.046 33.345,59.345 36.167,62.167 70.925,62.167 76.163,56.929 76.163,35.483 72.811,32.131 U1.30@72.796,32.131
NetLED1_C: LED1.C R21.2 | length 3.9
  Top Layer w0.762: R21.2@37.262,29.543 37.262,29.606 37.287,29.632 37.287,31.458 37.274,31.471 37.274,33.297 37.262,33.31 LED1.C
NetQ1_1: Q1.1 R3.1 | length 2.8
  Top Layer w0.762: Q1.1 11.862,34.709 12.702,35.549 R3.1@14.261,35.549
NetQ1_2: Q1.2 R2.2 | length 2.7
  Top Layer w0.762: R2.2 9.592,36.574 9.804,36.361 10.084,36.361 Q1.2
NetQ2_1: Q2.1 R14.2 R17.1 | length 6.1
  Top Layer w0.508: Q2.1 Q2.1@7.563,8.216
  Top Layer w0.762: R17.1@4.826,5.073 4.941,5.073 4.955,5.059 7.344,5.059 7.54,5.255 R14.2@7.54,5.295 ; Q2.1@7.563,8.216 7.511,8.165 7.511,5.324 R14.2@7.54,5.295 ; R14.2@7.719,5.156 7.58,5.295 R14.2@7.54,5.295
NetQ3_3: Q3.3 Q4.1 R20.2 | length 7.9
  Top Layer w0.762: Q3.3 12.624,10.296 12.743,10.177 14.423,10.177 15.619,8.981 15.619,8.415 Q4.1 ; Q4.1@15.766,8.467 15.766,5.074 R20.2@15.795,5.045
NetR4_1: R4.1 U1.4 | length 31.4
  Top Layer w0.508: R4.1@29.39,43.586 32.08,43.586 34.188,41.478 50.622,41.478 56.244,47.1 57.3,47.1 U1.4
NetR5_1: R5.1 U1.5 | length 30.2
  Top Layer w0.508: R5.1@29.39,41.427 32.334,41.427 33.172,40.589 50.99,40.589 55.171,44.77 U1.5
NetR6_2: R6.2 U1.25 | length 95.7
  Top Layer w0.508: v1(69.275,42.383) 71.468,44.576 72.556,44.576 U1.25
  Top Layer w0.762: R6.2@14.529,29.265 14.529,29.187 14.54,29.176 14.54,26.716 15.254,26.003 v1(15.254,25.668)
  Bottom Layer w0.508: v1(15.254,25.668) 18.276,25.668 21.463,28.854 26.111,33.503 26.111,48.604 37.554,60.046 56.549,60.046 69.275,47.32 v1(69.275,42.383)
NetR9_2: R9.2 U1.33 | length 3.9
  Top Layer w0.508: R9.2 68.979,24.45 U1.33
NetR10_2: R10.2 U1.35 | length 3.7
  Top Layer w0.762: R10.2@69.139,19.253 69.197,19.312 72.692,19.312 U1.35
NetR12_2: R12.2 U1.36 | length 3.6
  Top Layer w0.762: R12.2@69.139,16.855 69.171,16.822 72.742,16.822 U1.36
NetR16_2: R16.2 R19.1 U2.3 | length 6.4
  Top Layer w0.508: 43.713,16.383 43.713,16.107 43.739,16.082 U2.3
  Top Layer w0.762: R19.1@42.841,18.299 42.93,18.21 42.93,18.17 43.713,17.387 43.713,16.383 ; R16.2@43.001,20.292 43.001,18.459 43.005,18.455 R16.2
NetR17_2: R17.2 U1.17 | length 86
  Top Layer w0.508: v1(2.801,7.799) 2.801,4.549 3.852,3.499 4.821,3.499 R17.2@4.826,3.493 ; U1.17 61.011,10.789 v1(61.011,3.708)
  Bottom Layer w0.508: v1(2.801,7.799) 6.866,3.734 22.885,3.734 25.857,6.706 30.607,6.706 37.744,13.843 46.904,13.843 57.039,3.708 v1(61.011,3.708)
VCC: C1.1 C2.1 C15.1 H1.1 H2.2 H3.2 H4.1 Q4.2 R2.1 R11.2 R20.1 R22.1 U3.1 | length 159.3
  Top Layer w0.762: C15.1@8.306,18.596 U3.1@10.915,18.596 ; R20.1@17.375,5.045 17.375,5.085 17.638,5.348 Q4.2
  Top Layer w1.27: H1.1 4.74,43.145 8.024,46.428 ; v1(6.071,30.226) 5.993,30.304 5.993,31.717 5.964,31.746 5.964,33.917 6.708,34.661 7.833,34.661 7.909,34.738 7.909,36.792 R2.1@7.959,36.841 ; R2.1@7.95,36.832 7.95,39.363 H3.2 ; H3.2@8.024,39.239 8.024,46.428 ; v1(8.255,22.581) 8.255,18.646 C15.1@8.306,18.595 ; C2.1 10.662,49.067 8.024,46.428 ; C2.1@12.015,49.011 R11.2@14.761,49.011 ; R20.1@17.375,5.045 17.375,4.215 20.396,1.194 29.449,1.194 H4.1 32.091,4.183 32.023,4.25 32.023,6.458 v1(29.134,9.347) ; H2.2 R22.1@50.035,47.362 ; R22.1 50.065,47.097 50.1,47.132 50.1,48.017 51.994,49.911 v1(51.994,50.089)
  Bottom Layer w1.27: v1(6.071,30.226) 8.255,28.042 v1(8.255,22.581) 13.487,22.581 26.581,9.487 28.994,9.487 v1(29.134,9.347) 33.325,13.538 33.325,27.254 51.994,45.923 v1(51.994,50.089)
pads on no net: H2.6 H3.23 H5.21 J2.7 J2.8 U1.3 U1.6 U1.7 U1.8 U1.9 U1.10 U1.11 U1.12 U1.13 U1.18 U1.19 U1.20 U1.21 U1.22 U1.23 U1.24 U1.26 U1.32 U1.37 U2.6

## Polygon pours and split planes (outlines as drawn)
GND on Top Layer "GND_L01_P005" (solid, remove dead copper, pour order 5): -0.064,0 ccw(c0,0) 0,-0.064 78,-0.064 ccw(c78,0) 78.064,0 78.064,63 ccw(c78,63) 78,63.064 0,63.064 ccw(c0,63) -0.064,63
GND on Bottom Layer "GND_L02_P008" (solid, remove dead copper, pour order 8): -0.064,0 ccw(c0,0) 0,-0.064 78,-0.064 ccw(c78,0) 78.064,0 78.064,63 ccw(c78,63) 78,63.064 0,63.064 ccw(c0,63) -0.064,63

## Keep-outs
Keep-Out Layer:
  lines w0.127: -0.197,14.486 -0.197,14.486 ; 0,0 78,0 78,63 0,63 0,0

## Other copper
Top Layer:
  pour cut-out: 37.033,0.29 37.033,12.04 47.283,12.04 47.283,0.29
Bottom Layer:
  pour cut-out: 37.064,0.33 37.064,12.08 47.314,12.08 47.314,0.33

## Silkscreen, mask and mechanical layers (free items; w line width, h text height)
Top Overlay:
  region: 43.104,51.252 43.098,51.252 43.098,51.258 43.104,51.258
  region: 43.26,51.348 43.26,51.342 43.254,51.342 43.254,51.348
  region: 43.374,51.408 43.368,51.408 43.368,51.414 43.374,51.414
  region: 43.686,51.588 43.68,51.588 43.68,51.594 43.686,51.594
  region: 43.895,51.707 43.889,51.707 43.889,51.713 43.895,51.713
Bottom Overlay:
  text "+    -" at 31.699,10.465 h0.76 r180

## Text inside footprints (layer, text, board x,y; h text height)
U2: Top Overlay "*" at 44.469,13.75 h0.76; Mechanical 13 "*" at 43.332,14.979 h0.76